# Altium PCB MB1019.PcbDoc (part 4 of 4) (continued)
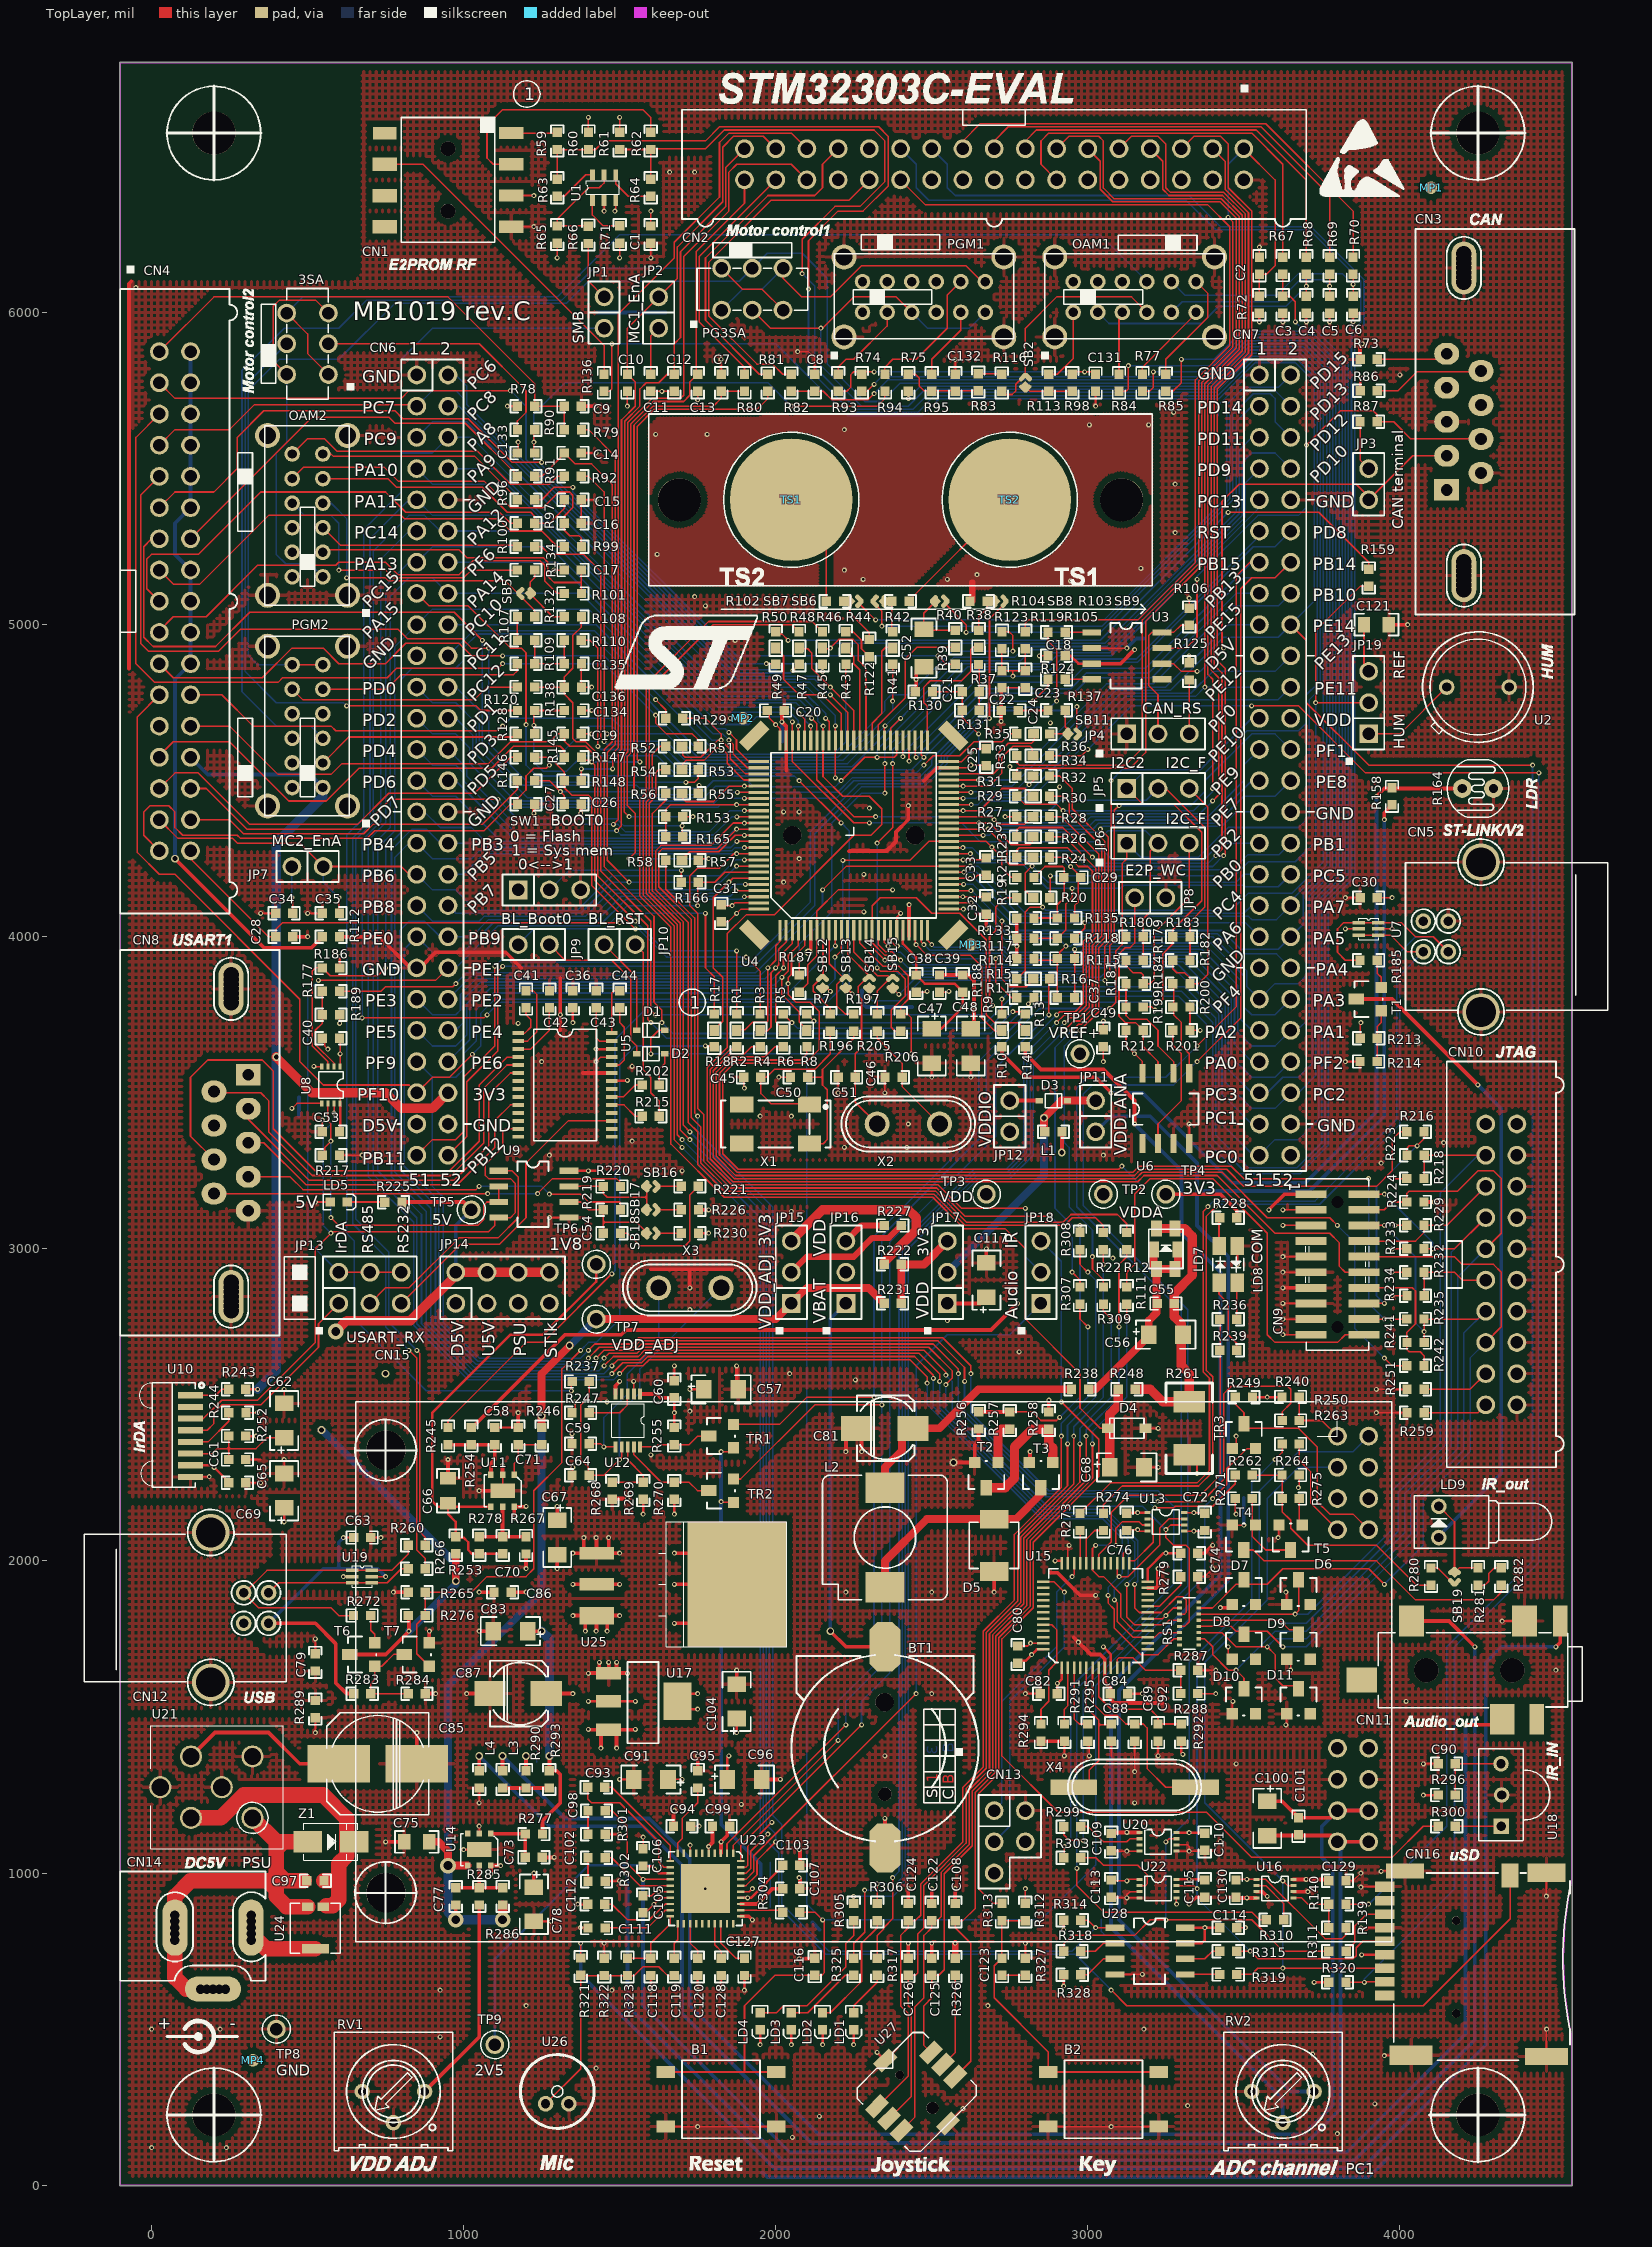
[diagram p0: TopLayer view]
## Nets (pads, with @x,y where several pads share a name; then routed paths per layer and width w, separated by ;. In a path a pad name is that pad's centre, name@x,y a point inside that pad or via, vN(x,y) a via of type N, cw(c..) or ccw(c..) an arc to the next point about the centre after c; other vN are vias at no path point) (continued)
PF10: CN4.23 CN6.47 U4.11 | length 3582.2
  TopLayer w5: CN4.23@25,4775 -45,4705 -45,4270 25,4200 75,4200 475,3800 475,3600 550,3525 825,3525 CN6.47@850,3500 900,3550 955,3550 v1(1028.15,3623.15) ; v1(2190,3935) 2210.63,3955.63 U4.11@2210.63,4020.87
  BottomLayer w5: v1(1028.15,3623.15) 1055.4,3650.4 1055.4,3755.4 1100.32,3800.32 2125.32,3800.32 2190,3865 v1(2190,3935)
RESET#: B1.2 B1.3 C116.2 D1.1 R206.2 R304.2 RS1.3 TR3.1 U4.14 U15.18 | length 8039.2
  TopLayer w5: v1(1600,3625) 1600,3675 1625,3700 D1.1@1645,3700 ; B1.2@1647.84,362.5 B1.3@2002.16,362.5 ; 1895,362.5 1900,367.5 1905,362.5 ; 1900,362.5 1900,575 1997.5,672.5 2147.5,672.5 2155,680 2155,845 2125,875 R304.2@2077.5,875 ; U4.14@2270,4020.55 U4.14@2269.68,4020.87 2269.68,3980.32 2345,3905 2395,3905 2425,3875 2425,3800 2400,3775 2400,3752.5 2422.5,3752.5 2435,3740 v1(2435,3625) ; U15.18@3192.32,1815.16 3240.16,1815.16 3274.21,1849.21 RS1.3@3294,1849.21 ; v1(3400,2200) 3445,2245 3445,2295 3510,2360 TR3.1@3537.5,2360
  BottomLayer w5: v1(1600,3625) v1(2435,3625) ; 2095,3625 2100,3620 2105,3625 ; 2100,3625 2100,900 v1(2150,850) 2850,850 3025,1025 3025,1600 3375,1950 3375,2175 v1(3400,2200)
  other v1: 3250,1825
RS485_DIR_3V3: R217.2 U8.6 U9.2 U9.3 | length 1078.6
  TopLayer w5: R217.2@555,3300 555,3325 v1(575,3345) 575,3400 565.16,3409.84 U8.6@565.16,3465.94 ; v1(575,3100) 600,3075 1045,3075 1065,3095 1065,3140 1075,3150 U9.3@1112.5,3150 U9.2@1112.5,3200
  BottomLayer w5: v1(575,3100) v1(575,3345)
SPI2_MISO_3V3: R263.1 R311.1 R318.2 U20.7 | length 2664.6
  TopLayer w5: R318.2@2922.5,749 2922.5,772.5 2950,800 3150,800 3200,850 3525,850 3625.16,749.84 R311.1@3772.62,749.84 ; v1(3250,1100) 3259.84,1109.84 U20.7@3284.06,1109.84 ; v1(3600,2325) 3622.5,2347.5 R263.1@3622.5,2375
  BottomLayer w5: v2(3250,850) v1(3250,1100) 3325,1175 3325,1675 3525,1875 3525,2250 v1(3600,2325)
SPI2_MOSI_3V3: CN15.3 CN16.3 R319.2 U16.7 | length 2488.9
  TopLayer w5: R319.2@3477.5,675 3525,675 3544.69,694.69 3624.69,694.69 v2(3625,695) ; v2@3625,694.69 CN16.3@3960,694.69 ; v2(3625,975) 3640.16,959.84 U16.7@3659.06,959.84
  BottomLayer w5: v2(3625,695) v2(3625,975) 3375,1225 3375,1675 3575,1875 3575,2200 3675,2300 CN15.3@3800,2300
SPI2_SCK_3V3: CN15.2 CN16.5 R315.2 U22.7 | length 2643.3
  TopLayer w5: U22.7@3284.06,959.84 3340.16,959.84 v2(3350,950) ; R315.2@3477.62,749.84 v2@3520,749.84 ; v2(3520,750) 3545,725 3850,725 3860,735 3860,760.33 3880.97,781.3 CN16.5@3951.65,781.3
  BottomLayer w5: v2(3520,750) 3350,920 3350,1675 3550,1875 3550,2225 3675,2350 3850,2350 CN15.2@3900,2400
STL_USB_DM: R274.1 U15.32 | length 143.9
  TopLayer w5: U15.32@2995.47,1992.32 2995.47,2070.47 3022.5,2097.5 R274.1@3050,2097.5
STL_USB_DP: R273.1 U15.33 | length 105.5
  TopLayer w5: R273.1@2975,2097.5 2975.79,2096.71 U15.33@2975.79,1992.32
STM_JTCK_SWCLK: CN13.3 U15.37 | length 974.3
  TopLayer w5: U15.37@2857.68,1933.27 2891.73,1933.27 v1(2925,1900)
  BottomLayer w5: CN13.3@2700,1100 2750,1150 2750,1550 2925,1725 v1(2925,1900)
STM_JTMS_SWDIO: CN13.1 U15.34 | length 898.4
  TopLayer w5: v1(2950,1950) 2956.1,1956.1 U15.34@2956.1,1992.32
  BottomLayer w5: CN13.1@2700,1200 2725,1225 2725,1550 2900,1725 2900,1900 v1(2950,1950)
STM_RST: C92.2 R292.1 U15.7 | length 407.2
  TopLayer w5: U15.7@3034.84,1657.68 3034.84,1565.16 3075,1525 3200,1525 3225,1500 C92.2@3225,1477.5 R292.1@3300,1477.5
SWIM_PU_CTRL: U15.4
T_SWDIO_IN: U13.2 U15.25 | length 190.9
  TopLayer w5: U15.25@3135,2000 3150,2000 3210,2060 3210,2130 3205.16,2134.84 U13.2@3190.94,2134.84
T_SWO: U13.3 U15.16 U15.31 | length 619
  TopLayer w5: v1(3025,2050) 3015.16,2040.16 3015.16,1969.84 3035,1950 3050,1950 3105,1895 3105,1820 3149.21,1775.79 U15.16@3192.32,1775.79 ; v1(3090,2050) 3090,2105 3110,2125 3165,2125 3174.84,2115.16 U13.3@3190.94,2115.16
  BottomLayer w5: v1(3025,2050) v1(3090,2050)
TS_SHIELD: R103.2 | length 60
  TopLayer w20: R103.2@2630,5075 2630,5135
  other v1: 2945,5140 2280,5145 2550,5145 1900,5155 2645,5160 2220,5175 3170,5180 1620,5225 1615,5610 1780,5610 2220,5625 3005,5640 3195,5640
U5V: C63.1 CN12.1 JP14.3 R283.1 U19.5 | length 1446.9
  TopLayer w5: v1(615,2075) C63.1@647.5,2075 ; U19.5@706.3,1950 v1(750,1950)
  TopLayer w12: CN12.1@375,1800 525,1800 590,1735 590,1610 625,1575 R283.1@647.5,1575
  VCC w5: 1030,2780 JP14.3@1075,2825 1120,2780
  VCC w12: CN12.1@375,1800 525,1950
  BottomLayer w5: 590,1975 600,1985 610,1975
  BottomLayer w12: CN12.1@375,1800 550,1975 725,1975 v1(750,1950) ; 600,1975 600,2060 v1(615,2075)
U5V_ST_LINK: C30.1 CN5.1 JP14.7 R213.1 U7.5 | length 662.9
  TopLayer w5: R213.1@3872.5,3675 3872.5,3722.5 v1(3875,3725) ; C30.1@3927.5,4125 v1(3975,4125) ; U7.5@3931.3,4025 v1(3975,4025)
  VCC w12: CN5.1@4075,4050 4125,4000 4300,4000
  VCC w25: 1275,2550 JP14.7@1275,2825
USART1_TXD_3V3: U5.13 U8.7 U9.4 U10.3 | length 2361.3
  TopLayer w5: U10.3@125,2456.1 166.1,2456.1 225,2515 340,2515 525,2700 525,3000.24 v1(574.88,3050.12) ; v1@575,3050 580,3055 1080,3055 1100,3075 1100,3100 1150,3100 1165,3115 1165,3210 1150,3225 1080,3225 1070,3235 1070,3270 1125,3325 1125,3375 1134.25,3384.25 U5.13@1175.39,3384.25 ; v1(584.84,3435.16) U8.7@584.84,3465.94
  BottomLayer w5: v1(574.88,3050.12) 550,3075 550,3375 584.84,3409.84 v1(584.84,3435.16)
VDD: C1.2 C40.2 C49.2 C72.1 C107.1 C109.2 C113.2 C130.2 CN1.5 CN7.24 CN9.1 CN10.1 CN10.2 JP12.2 JP16.3 R60.2 R61.2 R65.2 R71.1 R139.2 R186.2 R189.2 R199.2 R200.2 R201.1 R212.1 R218.2 R227.1 R229.2 R232.2 R233.2 R235.2 R253.1 R264.1 R271.2 R276.2 R288.1 R312.2 R326.1 SW1.1 T6.3 TP3.1 TR1.2 TR2.2 TR3.2 U1.3 U6.8 U8.1 U8.5 U13.8 U16.1 U20.1 U22.1 U22.5 U23.33 | length 9801
  TopLayer w5: v1(450,3450) 465.94,3465.94 U8.5@545.47,3465.94 ; C40.2@602.5,3675 604.53,3672.97 U8.1@604.53,3584.06 ; v1(602.5,3722.5) R189.2@602.5,3750 ; CN1.5@1152.5,6375 v1(1225,6375) ; v1(1300,6175) R65.2@1300,6222.5 ; R60.2@1399,6576.5 v1@1399,6624 ; v1(1485,6325) 1487.4,6327.4 U1.3@1487.4,6358.66 ; v1(1500,6175) R71.1@1500,6222.5 ; R61.2@1500,6577.5 v1(1500,6625) ; C1.2@1600,6277.5 v1(1600,6325) ; v1(1825,2190) 1827.5,2187.5 TR2.2@1865,2187.5 ; v1(1825,2350) TR1.2@1865,2350 ; R312.2@2800,902.5 v1(2800,950) ; v1(3050,3600) C49.2@3050,3647.5 ; C113.2@3077.5,975 v1(3125,975) 3129.53,979.53 U22.1@3165.94,979.53 ; R212.1@3122.5,3700 3122.5,3652.5 3175,3600 U6.8@3175,3562.5 ; R199.2@3177.5,3775 3205,3775 v1(3215,3765) ; v1@3284.06,900.94 U22.5@3284.06,920.47 ; U13.8@3309.06,2154.53 C72.1@3372.97,2154.53 ; R201.1@3327.5,3692.5 R200.2@3327.5,3775 ; R201.1@3327.5,3700 v1(3360,3700) ; R288.1@3352.5,1575 v1(3410,1575) ; R271.2@3472.5,2200 3472.5,2152.5 v1(3475,2150) ; TR3.2@3475,2362.5 v1(3475,2400) ; C130.2@3477.03,979.53 3570.47,979.53 3760,790 3815,790 3827.5,802.5 R139.2@3827.5,825 ; v1(3675,2235) 3677.5,2237.5 R264.1@3677.5,2275 ; v1(3975,2775) R235.2@4022.5,2775 ; v1(3975,2925) R232.2@4022.5,2925 ; v1(3975,3000) R233.2@4022.5,3000 ; v1(3975,3225) R218.2@4022.5,3225 ; v1(3985,3075) R229.2@4022.5,3075
  TopLayer w8: R186.2@602.5,3900 v1(602.5,3937.5)
  TopLayer w12: T6.3@635,1700.5 750.5,1700.5 v1(825,1775) 825,1822.5 R276.2@822.5,1825 ; U23.33@1887.99,900.79 1940.79,900.79 1990,950 C107.1@2022.5,950 ; C109.2@3078.03,1129.53 U20.1@3165.94,1129.53 ; v1(3580,3125) 3630,3175 CN9.1@3715,3175
  TopLayer w20: JP16.3@2225,3025 2275,3075 R227.1@2347.5,3075 ; R326.1@2575,727.5 v1(2575,775)
  TopLayer w25: v3(975,1935) R253.1@975,2022.5
  VCC w5: 1370,4595 1420.63,4595 1437.71,4577.91 ; 2975,2903.75 2975,2946.54 ; 3032.85,2921.81 3032.85,2966.18 3049.67,2983
  VCC w12: CN7.24@3650,4700 3775,4575 ; CN10.1@4265,3400 CN10.2@4375,3400
  VCC w20: 340.79,5850.79 630.79,5850.79 ; 375,5950 775,5950 ; 580,3005 605,3005 650,2960 650,2790 ; 750,2975 750,2802.09 805,2747.09 ; 1650,6475 3950,6475 ; 2690,3315 JP12.2@2750,3375 ; 3250,1025 3464.53,1025 v2(3510,979.53)
  BottomLayer w12: v1(1825,2350) 1825.72,1155.44 1951.83,1029.33 v1(1951.11,911.11)
  BottomLayer w25: v3(545,2420) 975,1990 975,1925 v1(825,1775)
  other v1: 3285,900 3125,1130 3340,2154.53 604.53,3625 3149.43,3625.57 1400,6625
  other v3: 750,2600
VDD_ADJ: C75.1 C77.2 JP15.1 R231.2 R246.2 R286.1 TP7.1 U14.4 | length 3580.4
  TopLayer w12: v4(975,850) C77.2@975,897.5
  TopLayer w25: C75.1@890,1100 919.98,1100 950,1069.98 v4(950,1023.82) 975,1023.82 U14.4@1012.6,1023.82 ; R246.2@1250,2427.5 1250,2600 v3(1340,2690) ; TP7.1@1425,2775 2000,2775 2100,2875 2297.5,2875 R231.2@2347.5,2825
  TopLayer w30: v4(1125,850) R286.1@1125,897.5
  BottomLayer w25: v4(950,1023.82) 950,1600 1250,1900 v3(1250,2465) ; v3(1340,2690) TP7.1@1425,2775
  BottomLayer w30: v4(950,1023.82) 950,875 v4(975,850) v4(1125,850)
VDD_ANA: JP11.1 R158.2 RV2.1 | length 5607.6
  TopLayer w12: v1(3950,4375) 3950,4397.5 R158.2@3975,4422.5
  BottomLayer w5: 3350,3175 3360,3185 3350,3195
  BottomLayer w12: JP11.1@3025,3375 3075,3425 3200,3425 3350,3275 3350,3075 3450,2975 3450,1935 3100,1585 3100,850 3650,300 RV2.1@3725,300 ; 3350,3185 3710,3185 3950,3425 v1(3950,4375)
VDDA: C39.2 C48.1 L1.2 R188.1 R254.1 TP2.1 U4.22 | length 2946.1
  TopLayer w12: R254.1@1025,2427.5 1027.5,2427.5 1325,2725 1505,2725 1520,2740 2690,2740 v1(2775,2825) ; U4.22@2427.16,4000 v1(2427.16,4102.84) ; C39.2@2525,3877.5 2617.5,3877.5 2635,3860 C48.1@2635,3705 ; v3@2917.5,3309.42 L1.2@2917.5,3375
  VCC w12: 2420,3956.25 2420,4005 ; v1(2775,2825) 2775,3166.92 v3(2916.54,3308.46)
  other v1: 2635,3775
VDDIO: C20.1 C25.1 C31.2 C32.1 C117.1 D3.1 JP12.1 JP17.1 U4.28 U4.50 U4.75 U4.100 | length 1878.5
  TopLayer w5: C31.2@1825,4047.5 1847.5,4047.5 1888.78,4088.78 U4.100@1945.87,4088.78 ; C20.1@1980,4725 1980,4700 2013.78,4666.22 U4.75@2013.78,4629.13 ; U4.28@2554.13,4128.15 C32.1@2674.35,4128.15 ; U4.50@2554.13,4561.22 2596.22,4561.22 2637.5,4602.5 C25.1@2675,4602.5
  TopLayer w12: JP17.1@2550,2825 2655,2825 C117.1@2675,2845 ; JP12.1@2750,3475 D3.1@2845,3475
  VCC w5: 1985,4665 v1(2000,4680) ; 2600,4565 v1(2625.21,4590.21)
  VCC w12: 2275,3775 2275,4000 ; 2525,4490 v1(2625.21,4590.21)
  VCC w50: JP17.1@2550,2825 2450,2925 2450,3200 2605,3355 2605,3440
  other v1: 1875.12,4075.12 2600,4128.15
VREF+: C38.2 C47.1 R188.2 TP1.1 U4.21 | length 947.4
  TopLayer w8: U4.21@2407.48,4020.87 2407.48,3977.52 2450,3935 C38.2@2450,3877.5 2477.5,3850 2572.5,3850 2600,3822.5 v1(2600,3775) 2530,3705 C47.1@2500,3705
  VCC w8: v1(2600,3775) 2625,3750 2725,3750 2825,3650 2950,3650 TP1.1@2975,3625
pads on no net: BT1.0 CN1.0 CN1.2 CN1.6 CN1.8 CN3.1 CN3.4 CN3.8 CN7.52 CN8.1 CN8.7 CN9.0 CN9.7 CN11.5 CN11.7 CN11.G1 CN11.G2 CN13.5 CN15.0 CN15.4 CN15.5 CN15.6 CN16.1 CN16.8 CN16.g D6.1 D7.1 D8.1 D9.1 D10.1 D11.1 MP1.0 MP2.0 MP3.0 MP4.0 OAM1.10 OAM1.11 OAM1.12 OAM2.10 OAM2.11 OAM2.12 PGM1.10 PGM1.11 PGM1.12 PGM2.10 PGM2.11 PGM2.12 RS1.1 RS1.2 RS1.15 RS1.16 U3.5 U4.0 U5.7 U5.8 U5.9 U5.11 U5.12 U5.14 U5.15 U5.16 U5.18 U5.21 U6.1 U10.2 U12.4 U14.3 U15.11 U15.12 U15.13 U15.14 U15.21 U15.22 U15.28 U15.38 U15.39 U15.40 U15.41 U15.42 U15.43 U15.45 U15.46 U20.3 U22.6 U23.4 U23.6 U23.7 U23.9 U23.22 U23.24 U23.25 U23.26 U23.29 U23.30 U27.G X1.2 X1.3
copper on no net: | length 6395
  TopLayer w5: 2475,1275 2575,1275 ; 2475,1325 2575,1325 ; 2475,1375 2575,1375 ; 2475,1425 2575,1425 ; 2475,1475 2575,1475 ; 2525,1225 2525,1525 ; 2475,1225 2575,1225 2575,1525 2475,1525 2475,1230 2475,1225
  GND w5: 2475,1275 2575,1275 ; 2475,1325 2575,1325 ; 2475,1375 2570,1375 ; 2475,1425 2575,1425 ; 2475,1475 2575,1475 ; 2525,1225 2525,1525 ; 2475,1225 2575,1225 2575,1525 2475,1525 2475,1225
  VCC w5: 2475,1275 2575,1275 ; 2475,1325 2575,1325 ; 2475,1375 2570,1375 2575,1375 ; 2475,1425 2575,1425 ; 2475,1475 2575,1475 ; 2525,1225 2525,1525 ; 2475,1225 2575,1225 2575,1525 2475,1525 2475,1225
  BottomLayer w5: 2475,1275 2575,1275 ; 2475,1325 2575,1325 ; 2475,1375 2575,1375 ; 2475,1425 2575,1425 ; 2475,1475 2575,1475 ; 2525,1225 2525,1525 ; 2475,1225 2575,1225 2575,1525 2475,1525 2475,1225

## Polygon pours and split planes (outlines as drawn)
GND on TopLayer "TopLayer-GND" (hatched 90Degree grid 20 track 10, remove dead copper, pour order 2): 675,6800 4550,6800 4550,0 -100,0 -100,6100 650,6100 675,6125
TS_SHIELD on TopLayer "TopLayer-TS_SHIELD" (hatched 90Degree grid 10 track 10, remove dead copper, pour order 4): 2660,5050 2705,5050 2705,5125 3205,5125 3205,5675 1595,5675 1595,5125 2630,5125 2645,5110 2645,5055 2650,5050
NetC79_2 on TopLayer "TopLayer-NetC79_2" (hatched 90Degree grid 20 track 10, remove dead copper, pour order 6): -100,2175 305,2175 385,2095 385,2020 285,1920 285,1775 365,1695 580,1695 590,1685 590,1555 570,1535 560,1525 -100,1525
GND on GND "GND-GND" (hatched 90Degree grid 5 track 5, remove dead copper, pour order 8): 665,6800 4550,6800 4550,0 -100,0 -100,6095 670,6095 670,6800
VDD on VCC "VCC-VDD" (hatched 90Degree grid 10 track 10, remove dead copper, pour order 10): -98,2201 303,2201 388,2116 510,2116 510,2285 897,2672 897,2729 826,2729 826,2995 665,3156 622,3199 622,4083 474,4231 325,4231 325,5747 383,5805 760,5805 1050,6095 1660,6095 1660,6245 1842,6427 3815,6427 3910,6332 3910,5769 3886,5745 3681,5745 3636,5700 3598,5662 3598,4640 2695,4640 2645,4590 2645,3770 2700,3770 2720,3750 2820,3650 2980,3650 3100,3530 3100,3175 3065,3140 2775,3140 2775,3437.25 2725,3437.25 2705,3417.25 2660,3372.25 2206.02,3372.25 2153.27,3425 2153.27,3885 2113.27,3925 1845,3925 1845,4700 993.13,4700 993.13,4050 1740,4050 1740,3570 2120,3190 2120,2700 2145,2675 3090,2675 3110,2695 3110,3105 3205,3200 3285,3200 3285,3125 3235,3075 3235,2610 3255,2590 3610,2590 3610,2490 3260,2490 3235,2465 3235,2205 3285,2155 3285,1685 3430,1540 3710,1540 3780,1610 3780,2070 4160,2070 4160,640 3425,640 3320,745 3320,1129.53 3284.53,1165 3055,1165 3010,1120 3010,590 2865,590 2865,950 2840,975 2525,975 2360,810 2360,420 1915,420 1915,505 2210,505 2210,925 1950,925 1840,815 695,815 695,345 845,195 3995,195 4385,585 4385,3555 3820,3555 3820,4195 4545,4195 4545,6805 2365,6805 2365,6520 2245,6520 2245,6645 880,6645 845,6610 830,6595 830,6075 770,6015 185,6015 35,5865 35,3005 190,2850 560,2850 640,2770 640,2635 -100,2635 -100,2200
+3V3 on VCC "VCC-+3V3 1" (hatched 90Degree grid 10 track 10, remove dead copper, pour order 12): 950,4000 1550,4000 1650,3900 1650,3600 2100,3150 2100,2675 2125,2650 3100,2650 3125,2675 3125,3100 3250,3225 3300,3225 3300,3155 3225,3080 3225,2600 3250,2575 3600,2575 3600,2500 3250,2500 3225,2475 3225,2190 3275,2140 3275,1675 3425,1525 3725,1525 3800,1600 3800,2100 4150,2100 4150,650 3425,650 3350,725 3325,750 3325,1129.53 3279.53,1175 3050,1175 3000,1125 3000,600 2875,600 2875,950 2850,975 2525,975 2350,800 2350,425 1925,425 1925,500 2225,500 2225,950 2055,950 2055,1595 2070,1610 2155,1610 2885,2340 2885,2540 2765,2540 2765,2360 2120,1715 1680,1715 1530,1865 1300,1865 1300,1730 1175,1730 1175,1970 1650,2445 1650,2925 1515,3060 950,3060 950,3155 890,3215 890,4000
+5V on VCC "VCC-+5V 1" (hatched 90Degree grid 10 track 10, remove dead copper, pour order 14): 985,3050 1480,3050 1650,2880 1650,2425 1175,1950 1175,1725 1300,1725 1300,1825 1325,1850 1525,1850 1675,1700 2125,1700 2775,2350 2775,2530 2875,2530 2875,2350 2150,1625 1375,1625 1375,1470 1670,1470 1875,1265 1875,1090 1835,1050 1540,1050 1540,825 675,825 675,1680 1350,2355 1350,2827.16 990,2827.16 977.16,2840 977.16,3050
+2V5 on VCC "VCC-+2V5" (hatched 90Degree grid 10 track 10, remove dead copper, pour order 16): 1375,1600 2050,1600 2050,1000 2025,1000 1850,825 1550,825 1550,1050 1850,1050 1875,1075 1875,1275 1675,1475 1375,1475
U5V_ST_LINK on VCC "VCC-U5V_ST_LINK" (hatched 90Degree grid 10 track 10, remove dead copper, pour order 18): 1225,2850 1350,2850 1350,2355 675,1680 675,350 750,275 850,175 3999.34,175 4350.8,526.46 4399.34,575 4399.34,3575 3825,3575 3825,4175 4550,4175 4550,0 -100,0 -100,1105 515,1105 515,1620 1235,2340 1235,2850
E5V on VCC "VCC-E5V" (hatched 90Degree grid 10 track 10, remove dead copper, pour order 20): -100,1125 500,1125 500,1625 1225,2350 1225,2875 1125,2875 1125,2700 925,2500 925,2270 400,1745 -100,1745
U5V on VCC "VCC-U5V" (hatched 90Degree grid 10 track 10, remove dead copper, pour order 22): 1005,2875 1125,2875 1125,2700 925,2500 925,2275 400,1750 -100,1750 -100,2175 305,2175 380,2100 525,2100 525,2275 1000,2750 1000,2875
VDDA on VCC "VCC-VDDA" (hatched 90Degree grid 10 track 10, remove dead copper, pour order 24): 2365,4135 2520,4135 2600,4055 2650,4005 2650,3775 2800,3625 3080,3625 3080,3150 2775,3150 2775,3525 2730,3570 2665,3570 2345,3890 2345,4130 2370,4130
VDDIO on VCC "VCC-VDDIO" (hatched 90Degree grid 10 track 10, remove dead copper, pour order 26): 1905,4700 2025,4700 2035,4690 2035,4620 2165,4490 2490,4490 2623.15,4623.15 2650,4623.15 2650,4100 2575,4100 2525,4150 2350,4150 2350,3850 2650,3550 2675,3525 2775,3525 2775,3425 2150,3425 2150,3905 2105,3950 1850,3950 1850,4675 1875,4700
+5V on VCC "VCC-+5V" (hatched 90Degree grid 10 track 10, remove dead copper, pour order 28): -100,2650 620,2650 620,2800 200,2800 25,2975 25,5875 175,6025 750,6025 800,6075 800,6625 850,6675 2225,6675 2250,6650 2250,6475 2355,6475 2355,6800 675,6800 675,6125 650,6100 -100,6100
+3V3 on VCC "VCC-+3V3" (hatched 90Degree grid 10 track 10, remove dead copper, pour order 30): 418.38,4270 600,4270 600,4700 830,4930 995,4930 1025,4900 2945,4900 2970,4875 3400,4875 3525,5000 3525,5720 3550,5745 3875,5745 3910,5780 3910,6335 3815,6430 1865,6430 1675,6240 1675,6115 1655,6095 1055,6095 770,5810 405,5810 375,5780 375,4330 419.34,4285.66 419.34,4270.66
D5V on VCC "VCC-D5V" (hatched 90Degree grid 10 track 10, remove dead copper, pour order 32): 825,2750 1025,2750 1025,2947.91 950,3022.91 950,3155 907.57,3197.43 880,3225 880,4620 930,4670 1580,4670 1630,4720 2025,4720 2053.15,4691.85 2053.15,4620 2123.15,4550 2173.15,4500 2500,4500 2650,4650 3600,4650 3600,4975 3497.87,4975 3402.87,4880 2710,4880 2480,4650 2225,4650 2225,4725 2060,4890 750,4890 570,4710 570,4150 665,4055 665,3160 835,2990 835,2800 820,2785 820,2750
TS_SHIELD on VCC "VCC-TS_SHIELD" (hatched 90Degree grid 10 track 10, remove dead copper, pour order 34): 1580,5690 3225,5690 3225,5120 2720,5120 2720,4895 2490,4665 2245,4665 2245,4725 2185,4785 2185,5035 2120,5100 1580,5100
no net on BottomLayer "BottomLayer-No Net" (hatched 90Degree grid 10 track 10, remove dead copper, pour order 36): 2800,4500 2800,4475 2825,4475
GND on BottomLayer "BottomLayer-GND" (hatched 90Degree grid 20 track 10, remove dead copper, pour order 38): 675,6800 4550,6800 4550,0 -100,0 -100,6100 650,6100 675,6125

## Keep-outs
KeepOutLayer:
  lines w5: 4550,476.01 cw(c5723.78,725.51) 4550,975 4550,6800 1505.64,6800 -100,6800 -100,1950 -100,0 4550,0 4550,476.01 ; 4550,476.01 4550,476.01

## Other copper
TopLayer:
  text "1" at 2520,1290 h35 r90
  text "B" at 2570,1285 h35 r90
GND:
  text "4" at 2520,1465 h35 r90
  text "B" at 2567,1440 h35 r90
VCC:
  text "2" at 2515,1335 h35 r90
  text "B" at 2570,1335 h35 r90
BottomLayer:
  text "3" at 2520,1410 h35 r90
  text "B" at 2570,1385 h35 r90

## Silkscreen, mask and mechanical layers (free items; w line width, h text height)
TopOverlay:
  drawing of 10014 lines, arcs and shapes, not listed
  text "1" at 1195,6680 h40
  text "MB1019 rev.C" at 645,5975 h60
  text "SMB" at 1385,5900 h35 r90
  text "MC1_EnA" at 1565,5900 h35 r90
  text "1" at 825,5865 h40
  text "2" at 925,5865 h40
  text "1" at 3540,5865 h40
  text "2" at 3640,5865 h40
  text "GND" at 3350,5785 h40
  text "GND" at 675,5775 h40
  text "PC6" at 1035,5750 h40 r45
  text "PD15" at 3735,5750 h40 r45
  text "PC7" at 675,5675 h40
  text "PD14" at 3350,5675 h40
  text "PC8" at 1035,5650 h40 r45
  text "PD13" at 3735,5650 h40 r45
  text "PC9" at 680,5575 h40
  text "PD11" at 3350,5575 h40
  text "PA8" at 1035,5550 h40 r45
  text "PD12" at 3735,5550 h40 r45
  text "PA10" at 650,5475 h40
  text "PD9" at 3350,5475 h40
  text "PA9" at 1035,5450 h40 r45
  text "PD10" at 3735,5450 h40 r45
  text "PA11" at 650,5375 h40
  text "PC13" at 3350,5375 h40
  text "GND" at 3730,5375 h40
  text "GND" at 1035,5350 h40 r45
  text "CAN terminal" at 4010,5305 h35 r90
  text "PC14" at 650,5275 h40
  text "RST" at 3350,5275 h40
  text "PD8" at 3720,5275 h40
  text "PA12" at 1035,5250 h40 r45
  text "PA13" at 650,5175 h40
  text "PB15" at 3350,5175 h40
  text "PB14" at 3720,5175 h40
  text "PF6" at 1035,5150 h40 r45
  text "PB10" at 3720,5075 h40
  text "PC15" at 700,5050 h40 r45
  text "PA14" at 1035,5050 h40 r45
  text "PB13" at 3400,5050 h40 r45
  text "PE14" at 3720,4975 h40
  text "PC10" at 1030,4960 h40 r45
  text "PA15" at 700,4950 h40 r45
  text "PE15" at 3400,4950 h40 r45
  text "GND" at 700,4850 h40 r45
  text "PC11" at 1035,4850 h40 r45
  text "D5V" at 3400,4850 h40 r45
  text "PE13" at 3750,4850 h40 r45
  text "REF" at 4015,4825 h35 r90
  text "PD0" at 675,4775 h40
  text "PE11" at 3725,4775 h40
  text "PC12" at 1035,4750 h40 r45
  text "PE12" at 3400,4750 h40 r45
  text "CAN_RS" at 3175,4715 h35
  text "PD2" at 675,4675 h40
  text "VDD" at 3725,4675 h40
  text "PD1" at 1035,4650 h40 r45
  text "PF0" at 3410,4650 h40 r45
  text "HUM" at 4015,4600 h35 r90
  text "PD4" at 675,4575 h40
  text "PF1" at 3730,4575 h40
  text "PE10" at 3410,4555 h40 r45
  text "PD3" at 1035,4550 h40 r45
  text "I2C2" at 3075,4540 h35
  text "I2C_F" at 3250,4540 h35
  text "PD6" at 675,4475 h40
  text "PE8" at 3730,4475 h40
  text "PD5" at 1035,4450 h40 r45
  text "PE9" at 3420,4450 h40 r45
  text "GND" at 3730,4375 h40
  text "I2C2" at 3075,4360 h35
  text "I2C_F" at 3250,4360 h35
  text "BOOT0" at 1280,4355 h35
  text "PD7" at 725,4350 h40 r45
  text "PE7" at 3420,4350 h40 r45
  text "GND" at 1035,4345 h40 r45
  text "0 = Flash" at 1150,4305 h35
  text "MC2_EnA" at 385,4290 h35
  text "PB4" at 675,4275 h40
  text "PB3" at 1025,4275 h40
  text "PB1" at 3720,4275 h40
  text "1 = Sys mem" at 1155,4260 h35
  text "PB2" at 3420,4250 h40 r45
  text "0<-->1" at 1175,4215 h35
  text "E2P_WC" at 3120,4195 h35
  text "PB6" at 675,4175 h40
  text "PB5" at 1035,4175 h40 r45
  text "PC5" at 3720,4175 h40
  text "PB0" at 3425,4150 h40 r45
  text "PB8" at 675,4075 h40
  text "PA7" at 3720,4075 h40
  text "PB7" at 1035,4070 h40 r45
  text "PC4" at 3425,4050 h40 r45
  text "BL_Boot0" at 1120,4040 h35
  text "BL_RST" at 1400,4040 h35
  text "PE0" at 675,3975 h40
  text "PB9" at 1015,3975 h40
  text "PA5" at 3720,3975 h40
  text "PA6" at 3425,3950 h40 r45
  text "GND" at 675,3875 h40
  text "PE1" at 1025,3875 h40
  text "PA4" at 3730,3875 h40
  text "GND" at 3420,3850 h40 r45
  text "PE3" at 685,3775 h40
  text "PE2" at 1025,3775 h40
  text "PA3" at 3720,3775 h40
  text "1" at 1725,3770 h40
  text "PF4" at 3425,3750 h40 r45
  text "PE5" at 685,3675 h40
  text "PE4" at 1025,3675 h40
  text "VREF+" at 2875,3675 h35
  text "PA2" at 3375,3675 h40
  text "PA1" at 3720,3675 h40
  text "PF9" at 685,3575 h40
  text "PE6" at 1025,3575 h40
  text "PA0" at 3375,3575 h40
  text "PF2" at 3720,3575 h40
  text "PF10" at 660,3475 h40
  text "3V3" at 1030,3475 h40
  text "PC3" at 3375,3475 h40
  text "PC2" at 3720,3475 h40
  text "PC1" at 3375,3400 h40
  text "D5V" at 675,3375 h40
  text "GND" at 1030,3375 h40
  text "GND" at 3735,3375 h40
  text "VDDIO" at 2690,3325 h40 r90
  text "VDD_ANA" at 3125,3300 h40 r90
  text "PC0" at 3375,3275 h40
  text "PB11" at 675,3270 h40
  text "PB12" at 1035,3235 h40 r45
  text "51" at 825,3200 h40
  text "52" at 925,3200 h40
  text "51" at 3500,3200 h40
  text "52" at 3590,3200 h40
  text "3V3" at 3305,3175 h40
  text "VDD" at 2525,3150 h35
  text "5V" at 460,3130 h40
  text "VDDA" at 3100,3100 h35
  text "5V" at 900,3075 h35
  text "3V3" at 1985,3005 h40 r90
  text "IR" at 2775,3000 h40 r90
  text "1V8" at 1275,2995 h40
  text "IrDA" at 625,2985 h35 r90
  text "RS485" at 710,2985 h35 r90
  text "RS232" at 825,2985 h35 r90
  text "VDD" at 2160,2975 h40 r90
  text "3V3" at 2490,2975 h35 r90
  text "COM" at 3560,2950 h35 r90
  text "VDD" at 2490,2775 h40 r90
  text "Audio" at 2775,2775 h40 r90
  text "VBAT" at 2160,2760 h40 r90
  text "VDD_ADJ" at 1985,2740 h40 r90
  text "USART_RX" at 624.61,2698.92 h35
  text "VDD_ADJ" at 1475,2675 h35
  text "D5V" at 1000,2655 h40 r90
  text "U5V" at 1100,2655 h40 r90
  text "PSU" at 1200,2655 h40 r90
  text "STlk" at 1300,2650 h40 r90
  text "S" at 2520,1240 h35 r90
  text "C" at 2570,1235 h35 r90
  text "PSU" at 290,1015 h35
  text "+" at 25,540 h40 r270
  text "-" at 250,500 h40
  text "GND" at 400,350 h35
  text "2V5" at 1035,350 h35
  text "PC1" at 3827,35 h35
BottomOverlay:
  drawing of 1979 lines, arcs and shapes, not listed
  text "MB1019 rev.C" at 3610,2195 h60
  text "B" at 2520,1510 h35 r90
  text "C" at 2570,1485 h35 r90
Mechanical1:
  lines w5: 4550,475 cw(c5723.78,724.49) 4550,973.99 4550,6800 1505.64,6800 -100,6800 -100,1458.87 -100,0 4550,0 4550,475 ; 4550,475 4550,475

## Text inside footprints (layer, text, board x,y; h text height)
CN9: TopOverlay "1" at 3646,3214 h35 r270